# Altium PCB WhiteRHINO_0v1.PcbDoc (part 7 of 10) (continued)
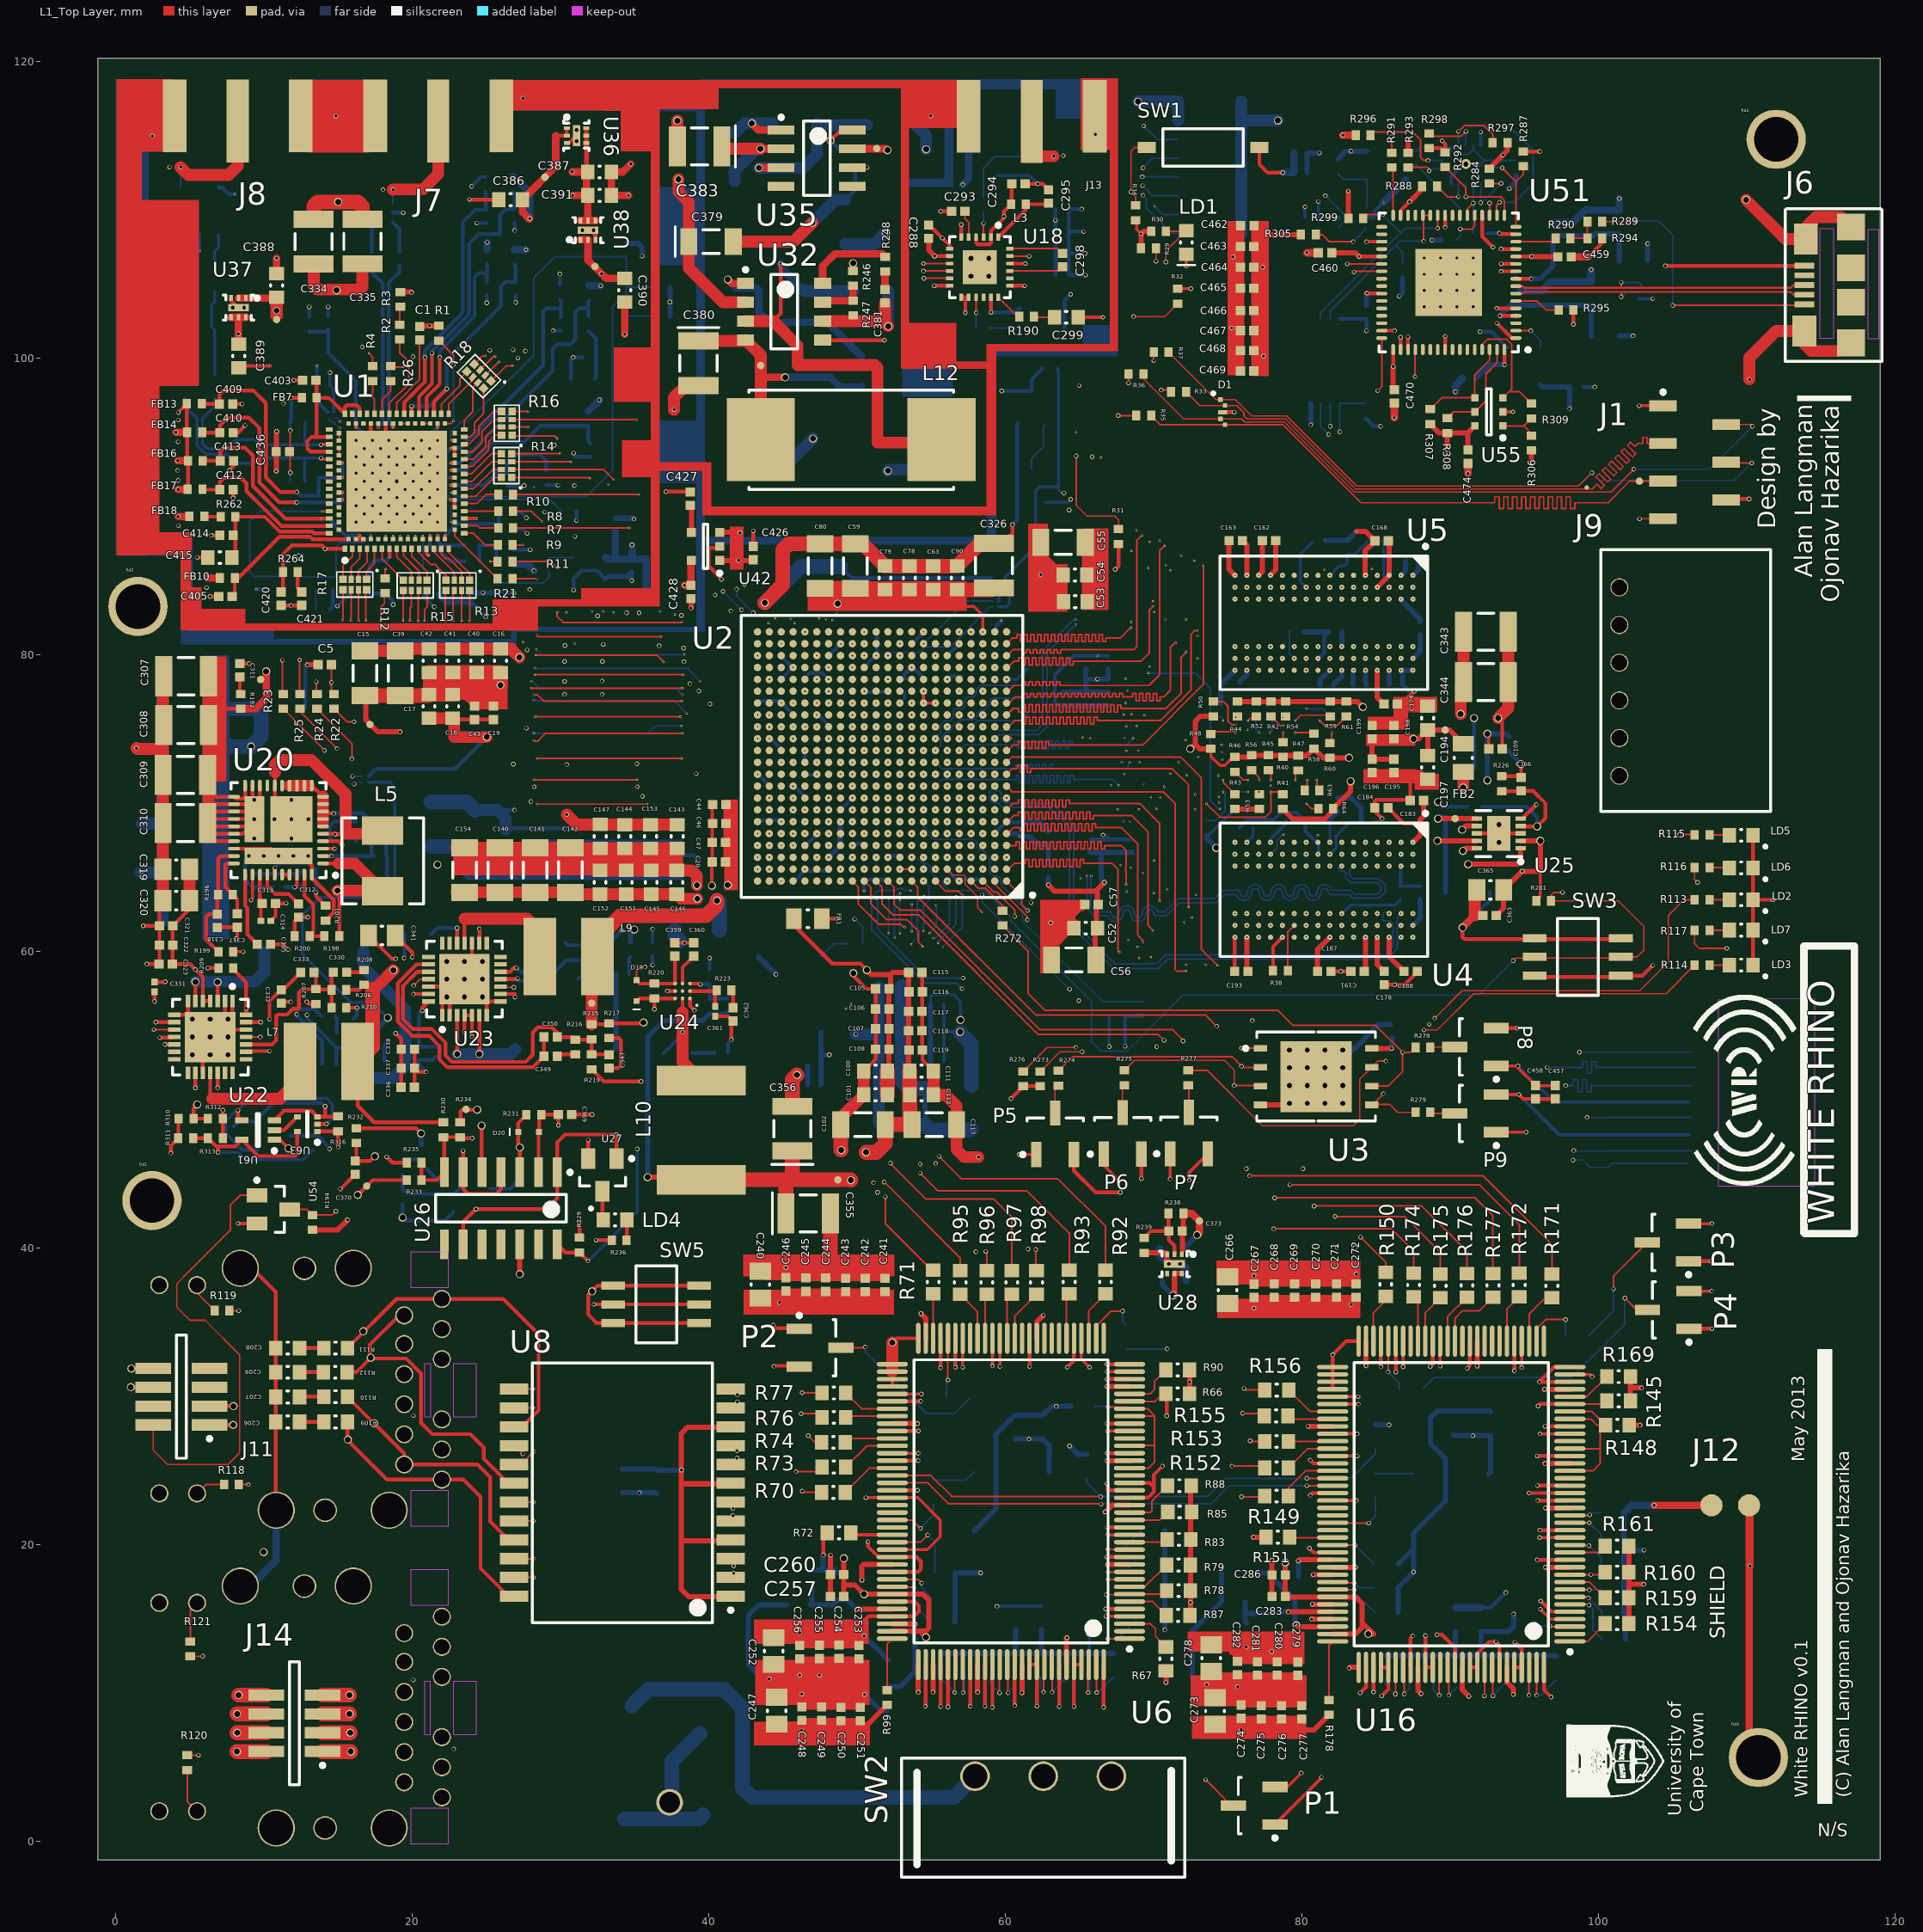
[diagram p0: L1_Top Layer view]
## Nets (pads, with @x,y where several pads share a name; then routed paths per layer and width w, separated by ;. In a path a pad name is that pad's centre, name@x,y a point inside that pad or via, vN(x,y) a via of type N, cw(c..) or ccw(c..) an arc to the next point about the centre after c; other vN are vias at no path point) (continued)
  L12_Bottom Layer w0.8: 16.7,51.425 18.725,51.425 19.55,52.25 19.55,56.075 16.75,58.875 L6.2@16.75,59.95
NetC325_2: C325.2 R202.1 | length 1.2
  L12_Bottom Layer w0.254: C325.2@18.15,52.575 18.15,53.7 R202.1@18.2,53.75
NetC328_1: C328.1 C329.1 U22.12 | length 22.6
  L1_Top Layer w0.254: v2(3.347,53.697) 3.35,53.7 U22.12@3.975,53.7
  L7_Non-Critical w0.163: v2(3.347,53.697) 3.263,53.613 3.263,50.962 3.8,50.425 9.428,50.425 12.225,53.222 v2(12.225,55.725)
  L12_Bottom Layer w0.254: C328.1@13.925,55.6 13.448,56.077 12.225,56.077 v2(12.225,55.725) 12.225,55.674 13.95,53.949 C329.1@13.95,52.375
NetC328_2: C328.2 R205.1 | length 1.2
  L12_Bottom Layer w0.254: C328.2@14.825,55.6 14.925,55.5 R205.1@14.925,54.475
NetC329_2: C329.2 R203.1 R204.2 R205.2 U22.11 | length 24.5
  L1_Top Layer w0.254: v2(3,54.15) 3.925,54.15 U22.11@3.975,54.2
  L7_Non-Critical w0.163: v2(3,54.15) 3,50.825 3.7,50.125 9.5,50.125 12.925,53.55 v2(12.925,55.7)
  L12_Bottom Layer w0.254: v2(12.925,55.7) 12.925,55.475 R205.2@14.925,53.475 ; C329.2@14.9,52.375 14.9,53.45 R205.2@14.925,53.475 ; R204.2@16.05,54.425 16.075,54.4 R203.1@16.075,53.4 16,53.475 R205.2@14.925,53.475
NetC330_1: C330.1 C333.2 R206.1 R207.2 R210.2 U22.24 | length 12.5
  L1_Top Layer w0.254: U22.24@8.825,53.7 10.575,53.7 10.85,53.975 10.85,55.6 10.961,55.711 11.589,55.711 11.981,56.102 12.327,56.102 12.389,56.164 12.389,57.214 12.6,57.425 R207.2@13.525,57.425 ; C333.2@13.4,58.55 13.525,58.425 R207.2@13.525,57.425 ; R210.2@14.575,56.175 R206.1@14.575,57.375 14.575,58.45 C330.1@14.7,58.575 ; R206.1@14.575,57.4 13.55,57.4 R207.2@13.525,57.425
NetC330_2: C330.2 R208.1 | length 1.3
  L1_Top Layer w0.254: C330.2@15.6,58.575 16.65,58.575 R208.1@16.8,58.725
NetC331_2: C331.2 R209.1 U22.28 | length 10.3
  L1_Top Layer w0.254: C331.2@2.65,57.905 3.355,57.905 v2(3.375,57.925) ; R209.1@7.975,58.725 8.825,57.875 v2(8.825,56.125) U22.28@8.825,55.7
  L7_Non-Critical w0.254: v2(3.375,57.925) 4.55,56.75 8.2,56.75 v2(8.825,56.125)
NetC332_1: C332.1 C333.1 U22.23 | length 7.9
  L1_Top Layer w0.254: U22.23@8.825,53.2 8.875,53.25 v2(10.4,53.25) ; v2(10.4,55.4) 10.4,56.616 11.159,57.375 C332.1@11.2,57.375 11.325,57.375 C333.1@12.5,58.55
  L7_Non-Critical w0.254: v2(10.4,53.25) v2(10.4,55.4)
NetC332_2: C332.2 R207.1 | length 2.4
  L1_Top Layer w0.254: C332.2@11.2,56.475 11.3,56.575 v2(11.825,56.575) ; v2(12.9,56.575) 13.05,56.425 R207.1@13.525,56.425
  L7_Non-Critical w0.254: v2(11.825,56.575) v2(12.9,56.575)
NetC342_1: C342.1 L8.2 R212.2 | length 6.4
  L12_Bottom Layer w0.254: R212.2@32.475,58.35 33.65,58.35 C342.1@33.75,58.45 ; L8.2@33.675,53.375 L8.2@33.75,53.45
  L12_Bottom Layer w0.35: L8.2@33.75,53.45 C342.1@33.75,58.45
NetC342_2: C342.2 R211.1 | length 1.2
  L12_Bottom Layer w0.254: C342.2@34.65,58.45 34.65,59.5 R211.1@34.75,59.6
NetC345_1: C345.1 C346.1 U23.12 | length 5.2
  L1_Top Layer w0.254: U23.12@25.975,58.6 26.625,58.6 26.875,58.85 v2(27.05,58.85)
  L12_Bottom Layer w0.254: v2(27.05,58.85) 27.325,58.575 28.7,58.575 C346.1@29.425,59.3 C345.1@29.425,60.575
NetC345_2: C345.2 R214.1 | length 1.3
  L12_Bottom Layer w0.254: C345.2@30.325,60.575 30.525,60.375 R214.1@31.5,60.375
NetC346_2: C346.2 R212.1 R213.2 R214.2 U23.11 | length 8.6
  L1_Top Layer w0.254: U23.11@25.975,58.1 v2@27.125,58.1
  L12_Bottom Layer w0.254: v2@27.125,58.1 27.25,57.975 29.041,57.975 30.325,59.259 C346.2@30.325,59.3 30.4,59.375 R214.2@31.5,59.375 ; R212.1@31.25,58.125 R212.1@31.475,58.35 31.475,59.35 R214.2@31.5,59.375 ; R213.2@32.575,59.375 R214.2@31.5,59.375
  other v2: 27.125,58.15
NetC347_1: C347.1 C350.2 R215.1 R216.2 R219.2 U23.24 | length 23.3
  L1_Top Layer w0.254: U23.24@21.125,58.6 20.35,58.6 19.404,57.654 19.404,55.397 20.051,54.75 21.325,54.75 22.276,53.799 22.276,52.949 22.7,52.525 27.675,52.525 28.15,53 28.15,54.5 28.5,54.85 29.425,54.85 29.8,54.475 C350.2@29.8,54.2 30.85,54.2 R216.2@31.025,54.025 32.1,54.025 R215.1@32.125,54.05 R219.2@32.125,53.025 33.275,53.025 C347.1@33.3,53
NetC347_2: C347.2 R217.1 | length 3.4
  L1_Top Layer w0.254: C347.2@33.3,52.1 33.925,52.1 34.1,52.275 34.1,53.975 33.95,54.125 R217.1@33.3,54.125
NetC348_2: C348.2 R218.1 U23.28 | length 4.4
  L1_Top Layer w0.254: v2(20.7,55.975) 20.7,56.175 U23.28@21.125,56.6
  L12_Bottom Layer w0.254: v2(20.7,55.975) 20.475,55.75 R218.1@20.475,53.65 20.57,53.555 C348.2@21.625,53.555
NetC349_1: C349.1 C350.1 U23.23 | length 18.5
  L1_Top Layer w0.254: U23.23@21.125,59.1 20.325,59.1 19.05,57.825 19.05,55.25 20.012,54.288 21.163,54.288 21.85,53.6 21.85,52.7 22.4,52.15 28.15,52.15 C349.1@28.9,52.9 C350.1@28.9,54.2
NetC349_2: C349.2 R216.1 | length 1.3
  L1_Top Layer w0.254: C349.2@29.8,52.9 29.925,53.025 R216.1@31.025,53.025
NetC358_2: C358.2 R221.1 | length 1.5
  L12_Bottom Layer w0.254: R221.1@38.9,53.125 40.375,53.125 C358.2@40.4,53.15
NetC360_2: C360.2 U24.C2 | length 2.2
  L1_Top Layer w0.254: U24.C2@38.25,57.8 38.25,58.9 C360.2@39,59.65
NetC361_2: C361.2 R223.1 U24.B1 | length 2.9
  L1_Top Layer w0.254: U24.B1@38.75,57.3 R223.1@40.5,57.3 ; C361.2@40.45,56.255 40.45,57.25 R223.1@40.5,57.3 ; R223.1@40.55,57.35 R223.1@40.5,57.3
NetC362_2: C362.2 R223.2 | length 1.3
  L1_Top Layer w0.254: R223.2@41.55,57.35 41.625,57.35 41.65,57.325 C362.2@41.65,56.175
NetC366_2: C366.2 R225.2 R226.2 U25.4 | length 10.8
  L1_Top Layer w0.254: R226.2@93.5,70.775 94.775,70.775 C366.2@94.8,70.8 95.6,70.8 96.45,69.95 96.45,68.975 v4(95.875,68.4) 94.8,68.4 U25.4@94.775,68.425
  L12_Bottom Layer w0.254: R225.2@92.175,69.725 95.175,69.725 95.875,69.025 v4(95.875,68.4)
NetC373_1: C373.1 R238.1 R239.2 U28.2 | length 4.8
  L1_Top Layer w0.254: R239.2@69.375,40.65 69.85,41.125 C373.1@71.05,41.125 ; R238.1@71.025,42.3 71.025,41.15 C373.1@71.05,41.125 ; U28.2@71.425,39.55 71.425,40.125 71.05,40.5 C373.1@71.05,41.125
NetC378_1: C378.1 D25.1 U32.1 | length 13.3
  L1_Top Layer w0.5: v4(41.3,105.275) 41.57,105.005 U32.1@42.5,105.005
  L12_Bottom Layer w0.5: v4(41.3,105.275) 41.875,104.7 43.25,104.7 C378.1@43.4,104.55 43.4,103.1 44.1,102.4 48,102.4 D25.1@50.325,100.075
NetC378_2: C378.2 D26.1 L12.1 U32.3 | length 30.4
  L1_Top Layer w0.254: 44.36,102.465 44.875,102.98 v3(44.875,106.35)
  L1_Top Layer w0.8: U32.3@42.5,102.465 44.36,102.465 46,100.825 46,99.5 51.225,99.5 51.4,99.325 51.4,94.275 55.525,94.275 L12.1@55.725,94.475
  L12_Bottom Layer w0.5: v3(44.875,106.35) 44.875,106.075 C378.2@46.4,104.55
  L12_Bottom Layer w0.8: C378.2@46.4,104.55 46.45,104.5 D26.1@49.772,104.5
NetC381_2: C381.2 R248.1 | length 1.2
  L1_Top Layer w0.5: C381.2@51.9,104.6 51.9,105.789 R248.1@51.912,105.801
NetC382_1: C382.1 D27.1 U35.1 | length 5
  L1_Top Layer w0.5: v4(42.925,115.8) 43.37,115.355 U35.1@44.9,115.355
  L12_Bottom Layer w0.8: D27.1@41.75,115.14 42.41,115.8 v4(42.925,115.8) C382.1@44.325,115.8
NetC382_2: C382.2 D28.1 L13.1 U35.3 | length 35.4
  L1_Top Layer w0.5: v4@43.4,112.815 U35.3@44.9,112.815
  L7_Non-Critical w0.8: v4(43.4,112.8) 43.4,109.575 47.05,105.925 v4(47.05,94.55)
  L12_Bottom Layer w0.8: v4(43.4,112.8) 46.4,112.8 47.325,113.725 C382.2@47.325,115.8 47.425,115.7 D28.1@50.69,115.7 ; L13.1@43.55,92.45 44.95,92.45 v4(47.05,94.55)
NetC385_2: C385.2 U35.8 | length 3.7
  L1_Top Layer w0.254: v4(48.224,114.65) 48.929,115.355 U35.8@49.7,115.355
  L12_Bottom Layer w0.254: v4(48.224,114.65) 48.95,113.925 C385.2@49.9,113.925
NetC397_2: C397.2 U40.4 | length 2.2
  L12_Bottom Layer w0.253: C397.2@17.275,107.125 17.275,108.67 U40.4@17.73,109.125
NetC399_2: C399.2 U40.3 | length 2.2
  L12_Bottom Layer w0.253: U40.3@18.72,109.125 19.175,108.67 C399.2@19.175,107.125
NetC403_2: C403.2 FB7.1 U1.43 U1.45 U1.47 U1.49 | length 11.8
  L1_Top Layer w0.254: C403.2@13.525,98.475 13.575,98.425 FB7.1@13.575,97.3 ; U1.49@14.431,93.662 13.163,93.662 12.95,93.875 12.95,94.375 13.237,94.662 13.575,94.662 ; U1.47@14.431,94.662 13.575,94.662 ; U1.43@16.481,96.212 16.481,96.594 16.275,96.8 15.6,96.8 15.481,96.681 U1.45@15.481,96.212 14.393,97.3 FB7.1@13.575,97.3 ; 13.575,94.662 FB7.1@13.575,97.3
NetC404_1: C404.1 FB11.1 U1.33 U1.36 | length 16.1
  L1_Top Layer w0.254: U1.36@19.981,96.212 v2(19.981,96.731) ; U1.33@21.481,96.212 21.481,97.031 v2(22.35,97.9)
  L12_Bottom Layer w0.254: v2(19.981,96.731) 21.181,96.731 v2(22.35,97.9) 22.35,99.825 26,103.475 26,104.8 26.325,105.125 C404.1@27,105.125 27,106.2 FB11.1@26.925,106.275
NetC405_1: C405.1 FB10.1 U1.61 | length 10.2
  L1_Top Layer w0.254: C405.1@7.875,83.9 8.05,84.075 FB10.1@8.05,85.15 8.3,85.15 11.081,87.931 13.128,87.931 13.297,87.762 U1.61@15.731,87.762
NetC406_1: C406.1 FB9.1 R260.1 R261.1 | length 3.5
  L12_Bottom Layer w0.254: R260.1@24.575,86.275 24.55,86.3 R261.1@24.55,87.35 25.625,87.35 C406.1@25.7,87.275 25.7,86.275 FB9.1@25.9,86.075
NetC407_2: C407.2 FB12.1 U1.90 U1.101 | length 15.1
  L1_Top Layer w0.254: v1(16.231,95.319) U1.101@16.231,95.562 ; v1(21.731,95.295) U1.90@21.731,95.562
  L12_Bottom Layer w0.254: FB12.1@13.075,101.75 14.2,101.75 C407.2@14.35,101.9 14.35,100.325 16.2,98.475 16.2,95.35 v1(16.231,95.319) 16.7,94.85 21.286,94.85 v1(21.731,95.295)
NetC408_1: C408.1 FB8.1 U1.83 | length 11.9
  L1_Top Layer w0.254: v1(22.65,92.425) 22.868,92.425 U1.83@22.881,92.412
  L12_Bottom Layer w0.254: v1(22.65,92.425) 23.6,92.425 25.475,94.3 27.55,94.3 28.65,95.4 FB8.1@31.9,95.4 31.9,94.35 C408.1@32.025,94.225
NetC409_2: C409.2 FB13.1 U1.107 U1.109 | length 18.8
  L1_Top Layer w0.254: FB13.1@5.825,96.9 5.85,96.875 C409.2@7.025,96.875 7.025,97.525 7.275,97.775 9.325,97.775 10.15,96.95 10.15,91.925 11.125,90.95 v2(12.25,90.95) ; U1.109@15.081,91.912 v1(15.312,91.912) ; U1.107@15.081,92.912 v1(15.313,92.912)
  L12_Bottom Layer w0.254: v2(12.25,90.95) 12.5,90.7 13.712,90.7 13.712,91.912 v1(15.312,91.912) 15.313,91.913 v1(15.313,92.912)
NetC410_2: C410.2 FB14.1 U1.111 U1.112 | length 15.7
  L1_Top Layer w0.254: FB14.1@5.85,94.975 5.875,94.95 C410.2@7.05,94.95 7.05,95.425 7.575,95.95 9.025,95.95 9.725,95.25 9.725,91.575 11.05,90.25 v2(12.225,90.25) ; U1.112@15.081,90.412 v1(15.312,90.412) ; U1.111@15.081,90.912 v1(15.313,90.912)
  L12_Bottom Layer w0.254: v2(12.225,90.25) 15.15,90.25 v1(15.312,90.412) 15.313,90.413 v1(15.313,90.912)
NetC411_2: C411.2 FB15.1 U1.35 | length 18.9
  L1_Top Layer w0.254: U1.35@20.481,96.212 20.481,97.381 21.35,98.25 v2(21.35,100.3)
  L12_Bottom Layer w0.254: v2(21.35,100.3) 21.35,100.426 23.85,102.926 23.85,107.675 24.5,108.325 25.95,108.325 25.95,109.65 26.3,110 C411.2@26.925,110 26.925,111.05 FB15.1@26.8,111.175
NetC412_2: C412.2 FB17.1 U1.59 | length 10.9
  L1_Top Layer w0.254: FB17.1@5.875,91.125 5.9,91.1 C412.2@7.05,91.1 7.05,91.625 7.325,91.9 8.475,91.9 8.85,91.525 8.85,91 10.221,89.629 ; 10.222,89.629 11.189,88.662 U1.59@14.431,88.662
NetC413_2: C413.2 FB16.1 U1.58 U1.62 U1.63 | length 16.2
  L1_Top Layer w0.254: FB16.1@5.9,93.05 C413.2@7.075,93.05 7.075,93.675 7.325,93.925 8.75,93.925 9.275,93.4 9.275,91.35 11.475,89.15 14.419,89.15 U1.58@14.431,89.162 ; U1.62@16.231,87.762 16.475,87.762 ; v1(16.475,88.025) 16.475,87.762 ; U1.63@16.731,87.762 16.475,87.762
  L12_Bottom Layer w0.254: v1(13.925,89.15) 14.375,89.15 15.5,88.025 v1(16.475,88.025)
NetC414_1: C414.1 C415.2 R262.1 U1.60 | length 9.6
  L1_Top Layer w0.254: C415.2@7.85,86.525 8.1,86.775 R262.1@8.1,89.275 10.075,89.275 11.065,88.285 13.275,88.285 13.398,88.162 U1.60@14.431,88.162
NetC416_1: C416.1 C419.2 R263.1 | length 3.5
  L12_Bottom Layer w0.254: R263.1@31.925,101.8 32.4,101.325 C416.1@32.4,100.025 32.4,98.65 C419.2@32.325,98.575
NetC417_2: C417.2 FB21.1 U1.81 | length 8.8
  L1_Top Layer w0.254: v1(22.65,91.4) 22.662,91.412 U1.81@22.881,91.412
  L12_Bottom Layer w0.254: v1(22.65,91.4) 24.875,91.4 25.725,92.25 C417.2@26.45,92.25 26.45,93.025 26.9,93.475 28.625,93.475 29.05,93.05 FB21.1@29.05,92.4
NetC418_2: C418.2 FB19.1 U1.78 U1.79 U1.82 U1.85 U1.86 | length 20.5
  L1_Top Layer w0.254: v1(22.62,90.412) U1.79@22.881,90.412 U1.78@22.881,89.912 ; v1(22.65,93.9) 22.662,93.912 U1.86@22.881,93.912 U1.85@22.881,93.412 ; v1(22.662,91.912) U1.82@22.881,91.912
  L12_Bottom Layer w0.254: v1(22.62,90.412) 22.296,90.736 22.296,91.9 ; v1(22.662,91.912) 22.308,91.912 22.296,91.9 ; FB19.1@29.975,103.9 30.05,103.825 30.05,103.325 ; C418.2@30.05,102.725 30.05,103.325 ; 22.296,91.9 22.296,93.546 v1(22.65,93.9) 23.25,93.9 28.85,99.5 28.85,103.1 29.075,103.325 30.05,103.325
NetC421_2: C421.2 R264.1 | length 1.5
  L1_Top Layer w0.254: R264.1@12.3,85.55 12.3,84.475 C421.2@12.575,84.2
NetC422_2: C422.2 FB22.1 U1.74 | length 5.5
  L1_Top Layer w0.254: U1.74@22.231,87.762 v1(22.231,88.016)
  L12_Bottom Layer w0.254: v1(22.231,88.016) 23.015,88.8 25.5,88.8 FB22.1@25.85,88.45 25.85,89.575 C422.2@25.9,89.625
NetC423_1: C423.1 FB23.1 U1.37 | length 17.7
  L1_Top Layer w0.254: U1.37@19.481,96.212 19.481,96.981 20.875,98.375 v2(20.875,100.025)
  L12_Bottom Layer w0.254: v2(20.875,100.025) 20.875,100.475 23.425,103.025 23.425,109.125 24.275,109.975 C423.1@25,109.975 25,111.125 FB23.1@24.95,111.175
NetC424_2: C424.2 R265.2 U1.34 | length 12.7
  L1_Top Layer w0.254: U1.34@20.981,96.212 20.981,97.331 21.875,98.225 v2(21.875,100.025)
  L12_Bottom Layer w0.254: v2(21.875,100.025) 21.875,100.45 24.225,102.8 24.225,105.425 24.5,105.7 25.05,105.7 ; C424.2@25.05,105.125 25.05,105.7 ; R265.2@25.075,106.275 25.075,105.9 25.05,105.875 25.05,105.7
NetC425_2: C425.2 FB24.1 U1.7 | length 4.2
  L1_Top Layer w0.254: U1.7@18.481,87.112 18.5,87.093 v1(18.5,86.575)
  L12_Bottom Layer w0.254: C425.2@15.95,85.1 FB24.1@17.125,85.1 ; FB24.1@17.075,85.15 17.175,85.25 17.175,86.025 17.487,86.338 18.263,86.338 v1(18.5,86.575)
NetC427_2: C427.2 U42.4 | length 1.8
  L1_Top Layer w0.35: U42.4@38.85,88.225 C427.2@38.85,90.075
NetC430_1: C430.1 U43.4 | length 3.9
  L12_Bottom Layer w0.115: U43.4@25.925,84.8 28.85,84.8 29.225,85.175 C430.1@29.225,85.625
NetC430_2: C430.2 U44.4 | length 1.7
  L12_Bottom Layer w0.115: C430.2@29.225,86.525 30.887,86.525 U44.4@30.9,86.538
NetC437_2: C437.2 C438.1 L18.2 | length 5.8
  L12_Bottom Layer w0.199: C437.2@6.7,98.875 6.7,101.875 L18.2@6.5,102.075 6.5,103.575 6.7,103.775 C438.1@6.7,104.475
NetC438_2: C438.2 U46.1 | length 2.4
  L12_Bottom Layer w0.199: C438.2@6.7,106.075 6.7,107.175 6.97,107.445 6.97,108.285 U46.1@6.945,108.31
NetC442_2: C442.2 C443.1 L18.1 | length 5.8
  L12_Bottom Layer w0.199: C442.2@4.7,98.875 4.7,101.875 L18.1@4.9,102.075 4.9,103.575 4.7,103.775 C443.1@4.7,104.475
NetC443_2: C443.2 U46.3 | length 2.4
  L12_Bottom Layer w0.199: U46.3@4.405,108.31 4.405,107.47 4.7,107.175 C443.2@4.7,106.075
NetFB18_1: FB18.1 R262.2 | length 1.1
  L1_Top Layer w0.254: FB18.1@6,89.3 6.025,89.275 R262.2@7.1,89.275
NetFB20_2: FB20.2 R263.2 U1.84 | length 16.8
  L1_Top Layer w0.254: v1(22.65,92.9) 22.869,92.9 U1.84@22.881,92.912
  L12_Bottom Layer w0.254: v1(22.65,92.9) 23.277,92.9 29.5,99.123 29.5,100.6 29.825,100.925 30.725,100.925 31.025,101.225 31.025,103.075 31.275,103.325 31.9,103.325 ; R263.2@31.925,102.8 31.9,102.825 31.9,103.325 ; FB20.2@31.95,103.85 31.9,103.8 31.9,103.325
NetJ2_13: J2.13 R119.1 | length 2.2
  L1_Top Layer w0.115: J2.13@5.51,37.475 5.51,36.94 R119.1@6.7,35.75
NetJ2_15: J2.15 R118.1 | length 2.1
  L1_Top Layer w0.115: J2.15@5.51,23.425 6.11,24.025 R118.1@7.325,24.025
NetJ3_13: J3.13 R121.1 | length 2.8
  L1_Top Layer w0.115: R121.1@5.05,13.45 5.05,15.59 J3.13@5.51,16.05
NetJ3_15: J3.15 R120.1 | length 3
  L1_Top Layer w0.115: R120.1@4.85,4.775 4.85,2.66 J3.15@5.51,2
NetJ4_1: J4.1 SW2.3 | length 30.4
  L12_Bottom Layer w1: J4.1@34.825,9.1 35.95,10.225 41.05,10.225 42.3,8.975 42.3,3.575 42.94,2.935 56.55,2.935 SW2.3@57.975,4.36
NetJ6_1: J6.1 R289.1 | length 18.8
  L1_Top Layer w0.1: R289.1@100.275,109.175 102.55,109.175 v2(102.575,109.2) ; v2(105.025,103.525) v2@105.1,103.6
  L1_Top Layer w0.115: v2(105.025,103.525) J6.1@113.825,103.525
  L12_Bottom Layer w0.1: v2(102.575,109.2) 104.1,109.2 105.025,108.275 v2(105.025,103.525)
NetJ7_C: J7.C U40.1 | length 8
  L1_Top Layer w0.8: v3(18.72,111.33) 18.74,111.35 20.75,111.35 21.775,112.375 J7.C@21.775,115.949
  L12_Bottom Layer w0.115: U40.1@18.72,110.425 v3(18.72,111.33)
NetJ8_C: J8.C U46.4 | length 8.7
  L1_Top Layer w0.8: v3(4.4,112.85) 4.925,112.325 7.65,112.325 8.25,112.925 J8.C@8.25,115.949
  L12_Bottom Layer w0.115: v3(4.4,112.85) 4.405,112.845 U46.4@4.405,111.49
NetJ9_1: J9.1 U2.AA14 | length 74.9
  L7_Non-Critical w0.1: v5(49.704,80.714) 49.929,80.489 50.689,80.489 52.325,82.125 52.325,84.133 59.692,91.5 72.983,91.5 74.283,90.2 96,90.2 98.6,87.6 98.6,76.8 100.075,75.325 101.8,75.325 102.188,74.937 102.188,72.576 J9.1@101.428,71.816
NetJ9_2: J9.2 U2.Y14 | length 71.5
  L7_Non-Critical w0.1: v5(49.704,79.914) 49.94,80.15 50.925,80.15 52.725,81.95 52.725,84.25 59.775,91.3 72.9,91.3 74.225,89.975 95.75,89.975 98.4,87.325 98.4,75.875 99.919,74.356 J9.2@101.428,74.356
NetJ9_3: J9.3 U2.AA13 | length 68.7
  L7_Non-Critical w0.1: v5(50.504,80.714) 52.125,82.335 52.125,84.491 59.409,91.775 73.361,91.775 74.586,90.55 96.041,90.55 99.1,87.491 99.1,77.571 99.775,76.896 J9.3@101.428,76.896
NetJ9_4: J9.4 U2.Y13 | length 70.5
  L7_Non-Critical w0.1: v5(50.504,79.914) 50.065,79.475 49.45,79.475 49.275,79.65 49.275,80.775 49.65,81.15 50.575,81.15 50.9,81.475 50.9,81.89 51.85,82.84 51.85,84.605 59.295,92.05 73.475,92.05 74.7,90.825 96.049,90.825 99.375,87.499 99.375,79.625 99.564,79.436 J9.4@101.428,79.436
NetJ10_5: J10.5 U2.Y11 U52.6 U56.B1 U57.B1 U58.B1 | length 144.7
  L3_Critical w0.115: v1(52.104,79.914) 52.475,80.285 52.475,83.725 63.3,94.55 64.725,94.55 ; v5(64.75,94.975) 64.75,94.575 64.725,94.55 ; v2(81.925,95.375) 81.1,94.55 64.725,94.55
  L10_Critical w0.1: v5(15.15,95.7) 14.775,95.325 14.775,93.35 14.925,93.2 14.925,90.225 15.275,89.875 15.275,82.875 15.125,82.725 15.125,81.6 15.275,81.45 15.275,72.075 v3(16.1,71.25)
  L7_Non-Critical w0.1: v5(15.15,95.7) 15.825,95.7 16.1,95.975 16.325,95.975 16.5,96.15 29.826,96.15 35.075,90.901 35.075,90.426 40.851,84.65 41.65,84.65 v3(41.9,84.4) ; v3(43.025,82.8) 44.896,80.929 45.171,80.929 47.211,78.889 51.079,78.889 v1(52.104,79.914) ; v5(64.75,94.975) 63.816,95.909 63.816,97.684 64.558,98.425 65.1,98.425 69.6,102.925 69.6,106.349 70.375,107.124 70.375,111.725 v3(69.3,112.8)
  L12_Bottom Layer w0.1: U56.B1@14.725,95.925 14.925,95.925 v5(15.15,95.7) ; v3(16.1,71.25) 16.225,71.375 U58.B1@16.675,71.375 ; v3(41.9,84.4) 41.9,83.925 v3(43.025,82.8) ; v1(52.104,79.914) 52.329,80.139 54.214,80.139 54.564,80.489 56.287,80.489 58.998,83.2 U57.B1@59.175,83.2
  L12_Bottom Layer w0.115: v3(69.3,112.8) 69.96,113.46 J10.5@71.675,113.46 ; v2(81.925,95.375) U52.6@81.925,96.925
NetJ10_6: J10.6 U2.AA8 U52.7 U56.B2 U57.B2 U58.B2 | length 145.7
  L1_Top Layer w0.115: U2.AA8@54.504,80.714 v1(54.514,80.714)
  L3_Critical w0.115: v1(54.514,80.714) 54.225,81.003 54.225,83.725 63.3,92.8 66.475,92.8 ; v5(66.475,93.275) 66.475,92.8 ; v2(81.825,94.825) 79.8,92.8 66.475,92.8
  L10_Critical w0.1: v5(15.125,95.275) 15.125,94.608 15.725,94.008 15.725,82.418 15.675,82.368 15.675,73.099 15.475,72.899 15.475,72.3 v3(16,71.775)
  L7_Non-Critical w0.1: v5(15.125,95.275) 15.35,95.5 15.908,95.5 16.183,95.775 22.532,95.775 22.707,95.95 29.743,95.95 34.875,90.818 34.875,90.343 40.968,84.25 v3(40.975,84.25) ; v3(42.225,83) 46.625,78.6 53.493,78.6 54.514,79.621 v1(54.514,80.714) ; v5(66.475,93.275) 66.475,98.9 69.825,102.25 69.825,105.1 70.525,105.8 70.525,106.549 70.575,106.599 70.575,114.4 v3(69.35,115.625)
  L12_Bottom Layer w0.1: U56.B2@14.325,95.925 14.575,95.675 14.675,95.675 15.075,95.275 v5(15.125,95.275) ; v3(16,71.775) U58.B2@16.675,71.775 ; v3(40.975,84.25) v3(42.225,83) ; v1(54.514,80.714) 57.4,83.6 U57.B2@59.175,83.6
  L12_Bottom Layer w0.115: v3(69.35,115.625) 70.245,114.73 J10.6@71.675,114.73 ; U52.7@81.275,96.925 81.275,95.375 v2(81.825,94.825)
NetJ11_2: J11.2 U54.G | length 30.9
  L1_Top Layer w0.1: J11.2@2.55,28.045 2.55,26.35 3.525,25.375 7.6,25.375 8.39,26.165 8.39,32.76 6.05,35.1 5.025,35.1 4.15,35.975 4.15,37.57 5.08,38.5
  L1_Top Layer w0.115: 5.08,38.5 7.753,41.172 7.753,42.853 8.425,43.525 U54.G@9.55,43.525
NetL4_2: L4.2 U18.3 | length 1.6
  L1_Top Layer w0.115: U18.3@58.55,108.125 v2@58.55,109.025
  L12_Bottom Layer w0.115: v2(58.55,109.05) L4.2@58.55,109.775
NetL6_1: L6.1 U22.3 U22.6 | length 8.9
  L1_Top Layer w0.254: U22.6@5.4,56.625 v4(5.4,57.925) ; U22.3@6.9,56.625 v4(6.9,57.9)
  L12_Bottom Layer w0.8: v4(5.4,57.925) 9.4,57.925 10.05,58.575 L6.1@10.05,59.95
NetL7_1: L7.1 U22.18 | length 9.9
  L1_Top Layer w0.254: 6.4,50.325 U22.18@6.4,51.775
  L1_Top Layer w0.8: 6.525,50.025 11.1,50.025 12.7,51.625 L7.1@12.7,53.225
NetL8_1: L8.1 U23.3 U23.6 | length 9.3
  L1_Top Layer w0.254: v4(23.05,53.05) U23.3@23.05,55.675 ; v4(24.55,53.05) U23.6@24.55,55.675
  L12_Bottom Layer w0.8: v4(23.05,53.05) 26.65,53.05 L8.1@26.975,53.375
NetL9_1: L9.1 U23.18 | length 8.8
  L1_Top Layer w0.254: U23.18@23.55,60.525 23.55,62.175
  L1_Top Layer w0.8: 23.55,62.175 27.775,62.175 28.625,61.325 L9.1@28.625,59.625
NetL10_1: L10.1 R221.2 U24.A2 | length 8
  L1_Top Layer w0.254: 38.25,55.85 U24.A2@38.25,56.8
  L1_Top Layer w0.8: 38.25,55.85 v2(38.25,54.55) 38.25,52.525 L10.1@39.5,51.275
  L12_Bottom Layer w0.254: R221.2@37,53.125 38.25,54.375 v2(38.25,54.55)
NetLD1_2: LD1.2 R30.1 U2.T12 | length 42
  L1_Top Layer w0.1: v2(70.85,106.45) 70.85,107.2 72.175,108.525 LD1.2@72.225,108.575
  L1_Top Layer w0.115: R30.1@70.85,108.525 LD1.2@72.175,108.525
  L9_Critical w0.1: v1(51.304,76.714) 51.65,77.06 51.953,77.06 54.025,79.132 54.025,86.5 69.475,101.95 69.475,105.075 v2(70.85,106.45)
NetLD2_2: LD2.2 R113.1 | length 1.4
  L1_Top Layer w0.115: R113.1@107.5,63.45 LD2.2@108.85,63.45
NetLD3_2: LD3.2 R114.1 | length 1.4
  L1_Top Layer w0.115: R114.1@107.5,59.05 LD3.2@108.85,59.05
NetLD4_1: LD4.1 U27.D | length 1.9
  L1_Top Layer w0.254: U27.D@32.85,43.8 32.85,41.925 LD4.1@32.9,41.875
NetLD4_2: LD4.2 R236.1 | length 1.4
  L1_Top Layer w0.254: R236.1@34.475,40.5 34.5,40.525 LD4.2@34.5,41.875
NetLD5_2: LD5.2 R115.1 | length 1.4
  L1_Top Layer w0.115: R115.1@107.5,67.825 108.825,67.825 LD5.2@108.85,67.8
NetLD6_2: LD6.2 R116.1 | length 1.4
  L1_Top Layer w0.115: R116.1@107.5,65.625 108.825,65.625 LD6.2@108.85,65.6
NetLD7_2: LD7.2 R117.1 | length 1.4
  L1_Top Layer w0.115: R117.1@107.5,61.4 LD7.2@108.85,61.4
NetP1_2: P1.2 R84.2 | length 36
  L1_Top Layer w0.115: v2(73.525,4.125) 75.275,2.375 P1.2@75.4,2.375
  L10_Critical w0.115: v2(70.925,33.175) 70.317,32.567 70.317,7.332 v2(73.525,4.125)
  L12_Bottom Layer w0.115: R84.2@68.175,33.175 v2(70.925,33.175)
NetP2_2: P2.2 R86.2 | length 11.3
  L1_Top Layer w0.115: P2.2@48.925,33.25 50.525,33.25 v2(50.575,33.3)
  L12_Bottom Layer w0.115: v2(50.575,33.3) 50.575,32.94 54.715,28.8 56.575,28.8 R86.2@57.65,29.875
NetP3_2: P3.2 R164.2 | length 7.9
  L1_Top Layer w0.115: v2(101.025,37.225) 101.025,38.075 P3.2@103.3,40.35
  L12_Bottom Layer w0.115: R164.2@99.35,34.05 101.025,35.725 v2(101.025,37.225)
NetP4_2: P4.2 R166.2 | length 19
  L1_Top Layer w0.115: v2(101.8,36.6) 102.6,35.8 P4.2@103.325,35.8
  L12_Bottom Layer w0.115: R166.2@88.225,30.525 88.957,31.257 98.232,31.257 101.8,34.825 v2(101.8,36.6)
NetP5_2: P5.2 R274.2 | length 1.9
  L1_Top Layer w0.1: P5.2@63.375,49.075 63.375,50.7 R274.2@63.6,50.925
NetP6_2: P6.2 R275.2 | length 1.9
  L1_Top Layer w0.1: P6.2@67.925,49.1 67.925,50.825 R275.2@68.05,50.95
NetP7_2: P7.2 R277.2 | length 1.8
  L1_Top Layer w0.1: P7.2@72.4,49.125 R277.2@72.4,50.95
NetP8_2: P8.2 R278.2 | length 1.7
  L1_Top Layer w0.1: R278.2@88.675,53.5 88.7,53.525 P8.2@90.325,53.525
NetP9_2: P9.2 R279.2 | length 1.7
  L1_Top Layer w0.1: R279.2@88.675,49.125 88.75,49.05 P9.2@90.325,49.05
NetR1_1: R1.1 U1.89 | length 6.5
  L1_Top Layer w0.115: R1.1@21.825,101.15 22.8,100.175 v2(22.8,99.5) ; U1.89@22.231,95.562 22.637,95.562 v1(22.8,95.725)
  L12_Bottom Layer w0.115: v1(22.8,95.725) v2(22.8,99.5)
NetR2_1: R2.1 U1.39 | length 5.8
  L1_Top Layer w0.115: U1.39@18.481,96.212 18.481,96.931 19.8,98.25 19.8,99.725 19.175,100.35 R2.1@19.175,101.225
NetR2_2: R2.2 R3.1 | length 1.2
  L1_Top Layer w0.115: R2.2@19.175,102.225 19.175,103.375 R3.1@19.225,103.425
NetR4_2: R4.2 U1.41 | length 2.3
  L1_Top Layer w0.115: R4.2@17.35,98.425 17.35,97.325 17.481,97.194 U1.41@17.481,96.212
NetR5_1: R5.1 R12.1 U1.66 | length 3.8
  L1_Top Layer w0.115: R12.1@18.2,85.125 18.2,85.725 v1(18.231,85.756) ; U1.66@18.231,87.762 v1(18.231,87.994)
  L3_Critical w0.115: v1(18.231,85.756) v1(18.231,87.994)
  L12_Bottom Layer w0.115: R5.1@18.2,85.1 18.2,85.725 v1(18.231,85.756)
NetR6_1: R6.1 R11.2 U1.76 | length 13.5
  L1_Top Layer w0.115: v1(22.637,88.912) U1.76@22.881,88.912 ; v1(25.274,86.275) 25.75,86.275 R11.2@25.775,86.25
  L3_Critical w0.115: v1(22.637,88.912) v1(25.274,86.275)
  L12_Bottom Layer w0.115: v1(22.637,88.912) 22.637,89.962 23.1,90.425 29.325,90.425 R6.1@30.1,89.65
NetR7_2: R7.2 U1.17 | length 2.4
  L1_Top Layer w0.115: U1.17@23.531,88.662 24.438,88.662 24.575,88.525 R7.2@25.825,88.525
NetR8_1: R8.1 U1.19 | length 2.3
  L1_Top Layer w0.115: U1.19@23.531,89.662 23.543,89.65 R8.1@25.825,89.65
NetR9_2: R9.2 U1.16 | length 2.6
  L1_Top Layer w0.115: U1.16@23.531,88.162 23.544,88.175 24.125,88.175 24.925,87.375 R9.2@25.8,87.375
NetR10_1: R10.1 U1.20 | length 2.5
  L1_Top Layer w0.115: U1.20@23.531,90.162 24.387,90.162 25,90.775 R10.1@25.825,90.775
NetR13_1: R13.1 U1.15 | length 2.7
  L1_Top Layer w0.115: U1.15@22.481,87.112 22.481,86.894 23.9,85.475 R13.1@23.9,85
NetR13_2: R13.2 U1.14 | length 2.8
  L1_Top Layer w0.115: U1.14@21.981,87.112 21.981,86.744 22.25,86.475 22.475,86.475 23.35,85.6 R13.2@23.35,85
NetR13_3: R13.3 U1.13 | length 2.7
  L1_Top Layer w0.115: U1.13@21.481,87.112 21.481,86.919 22.85,85.55 R13.3@22.85,85
NetR13_4: R13.4 U1.11 | length 3
  L1_Top Layer w0.115: U1.11@20.481,87.112 20.481,86.844 21.275,86.05 21.575,86.05 22.3,85.325 R13.4@22.3,85
NetR14_5: R14.5 U1.24 | length 3.1
  L1_Top Layer w0.115: U1.24@23.531,92.162 24.012,92.162 25.375,93.525 R14.5@26.025,93.525
NetR14_6: R14.6 U1.23 | length 3
  L1_Top Layer w0.115: U1.23@23.531,91.662 24.062,91.662 25.375,92.975 R14.6@26.025,92.975
NetR14_7: R14.7 U1.22 | length 3
  L1_Top Layer w0.115: U1.22@23.531,91.162 24.162,91.162 25.475,92.475 R14.7@26.025,92.475
NetR14_8: R14.8 U1.21 | length 3
  L1_Top Layer w0.115: U1.21@23.531,90.662 23.568,90.625 24.275,90.625 25.575,91.925 R14.8@26.025,91.925
NetR15_1: R15.1 U1.10 | length 2.5
  L1_Top Layer w0.115: U1.10@19.981,87.112 19.981,86.619 21.025,85.575 R15.1@21.025,85
NetR15_2: R15.2 U1.9 | length 2.5
  L1_Top Layer w0.115: U1.9@19.45,87.081 19.45,86.65 20.475,85.625 R15.2@20.475,85
NetR15_3: R15.3 U1.8 | length 2.5
  L1_Top Layer w0.115: U1.8@18.981,87.112 18.981,86.569 19.975,85.575 R15.3@19.975,85
NetR15_4: R15.4 U1.6 | length 2.7
  L1_Top Layer w0.115: U1.6@17.981,87.112 17.981,86.444 R15.4@19.425,85
NetR16_5: R16.5 U1.28 | length 3.8
  L1_Top Layer w0.115: U1.28@23.531,94.162 23.837,94.162 24.5,94.825 24.5,95.375 25.5,96.375 R16.5@26.05,96.375
NetR16_6: R16.6 U1.27 | length 3.9
  L1_Top Layer w0.115: U1.27@23.531,93.662 24.112,93.662 24.725,94.275 24.725,95.025 25.525,95.825 R16.6@26.05,95.825
NetR16_7: R16.7 U1.26 | length 3.8
  L1_Top Layer w0.115: U1.26@23.531,93.162 24.162,93.162 24.975,93.975 24.975,94.675 25.625,95.325 R16.7@26.05,95.325
NetR16_8: R16.8 U1.25 | length 3.7
  L1_Top Layer w0.115: U1.25@23.531,92.662 24.062,92.662 25.19,93.79 25.19,94.365 25.6,94.775 R16.8@26.05,94.775